# Altium PCB 191228 PCB.PcbDoc (part 3 of 3)
Units mm, origin at the board's own origin, x right, y up, seen from the top; angles counter-clockwise.
Board outline 140 x 119 mm, 6 copper layers (SIGNAL1, GND1, POWER, GND2, SIGNAL2, GND3), stack 1.551 mm thick; 287 components, 145 nets, 826 pads, 579 vias.
Unrouted connection lines stored in the file: 22.
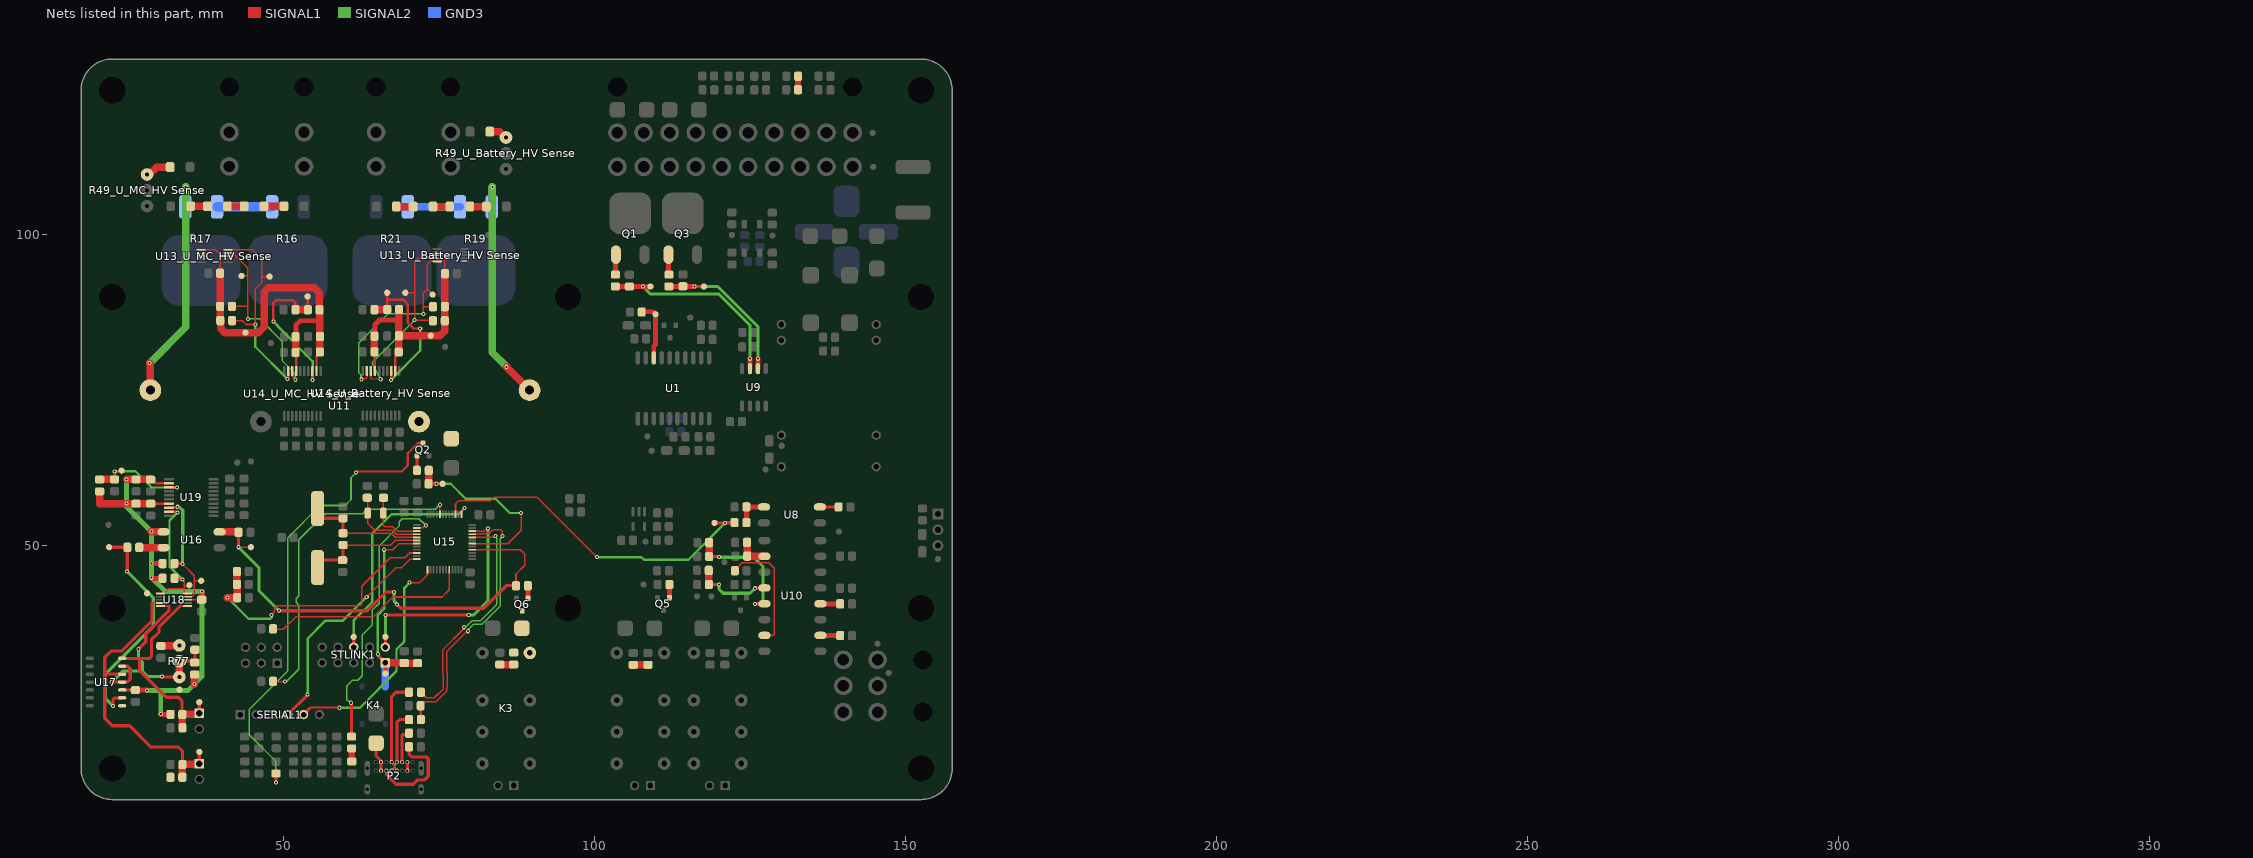
[diagram p5: the nets of this part, all layers, seen from the top]

## Via types
v1: diameter 0.66, hole 0.33, SIGNAL1 to GND3, 579 vias

## Nets (pads, with @x,y where several pads share a name; then routed paths per layer and width w, separated by ;. In a path a pad name is that pad's centre, name@x,y a point inside that pad or via, vN(x,y) a via of type N, cw(c..) or ccw(c..) an arc to the next point about the centre after c; other vN are vias at no path point) (continued)
NetD15_K: D15.K R37.1 | length 2.2
  SIGNAL1 w1: R37.1@132.726,123.334 132.738,123.346 132.738,125.488 D15.K@132.75,125.5
NetD17_K: D17.K R38.2 | length 2.4
  SIGNAL1 w1.2: D17.K@106.238,30.9 R38.2@108.6,30.9
NetD19_K: D19.K R41.2 | length 2.2
  SIGNAL1 w1.2: D19.K@84.801,30.942 84.805,30.946 87.021,30.946 R41.2@87.025,30.95
NetD20_K: D20.K R54.2 | length 2.1
  SIGNAL1 w1: R54.2@60.969,17.462 60.984,17.446 60.984,15.366 D20.K@61,15.35
NetD21_A: D21.A P2.A4 P2.A9 P2.B4 P2.B9 | length 6.1
  SIGNAL1 w0.5: D21.A@64.9,18.3 64.9,16.3 65.669,15.531 65.669,15.274 P2.A9@65.698,15.245 P2.B4@65.698,13.895 ; P2.B9@69.948,13.895 P2.A4@69.948,15.245 ; D21.A@65.699,18.285 D21.A@65.7,18.286
NetP2_A5: P2.A5 R70.1 | length 5.6
  SIGNAL1 w0.508: P2.A5@69.098,15.245 69.098,19.598 69.2,19.7 69.999,19.7 R70.1@70.204,19.905
NetP2_A6: P2.A6 P2.B6 R67.1 | length 10.2
  SIGNAL1 w0.508: P2.A6@68.248,15.245 68.248,21.648 68.689,22.089 70.193,22.089 R67.1@70.204,22.099
  GND3 w0.203: P2.B6@67.398,13.895 67.398,13.932 67.898,14.432 67.898,14.859 68.238,15.199 P2.A6@68.238,15.235
NetP2_A7: P2.A7 P2.B7 R68.1 | length 15.3
  SIGNAL1 w0.203: P2.A7@67.408,15.235 67.408,15.199 67.846,14.761 67.846,14.333 68.248,13.932 P2.B7@68.248,13.895
  SIGNAL1 w0.508: P2.A7@67.398,15.245 67.398,25.798 68.09,26.49 68.791,26.49 ; 68.792,26.489 R68.1@70.204,26.489
NetP2_B5: P2.B5 R71.1 | length 16
  SIGNAL1 w0.508: P2.B5@66.548,13.895 66.575,13.868 66.575,13.225 68.1,11.7 70.9,11.7 71.6,12.4 72.702,12.4 73.3,12.998 73.3,15.8 73,16.1 70.6,16.1 70.204,16.496 R71.1@70.204,17.71
NetQ1_G: Q1.G R13.2 | length 3.2
  SIGNAL1 w0.8: R13.2@103.376,93.613 103.413,93.65 103.413,96.788 Q1.G@103.45,96.825
NetQ2_G: Q2.G R20.2 | length 2.4
  SIGNAL1 w0.508: R20.2@71.474,62.152 71.487,62.165 71.487,64.487 Q2.G@71.5,64.5
NetQ3_G: Q3.G R27.2 | length 3.2
  SIGNAL1 w0.8: Q3.G@111.9,96.825 111.938,96.787 111.938,93.651 R27.2@111.976,93.613
NetQ5_G: Q5.G R39.2 | length 2.1
  SIGNAL1 w0.8: Q5.G@112.05,41.7 112.05,41.75 R39.2@112.05,43.8
NetQ6_G: Q6.G R42.2 | length 2
  SIGNAL1 w0.8: R42.2@89.3,43.6 89.35,43.55 Q6.G@89.35,41.6
NetR1_2: R1.2 TP4.1 U1.18 | length 8.9
  SIGNAL1 w0.762: 108.286,87.653 108.26,87.627 109.396,87.627 109.422,87.653 109.599,87.477 TP4.1@109.822,87.253 109.822,82.353 109.534,82.065 U1.18@109.534,80.229
NetR5_1: R5.1 TP12.1 U15.39 | length 55.3
  SIGNAL1 w0.254: U15.39@77.666,55.091 77.666,56.766 78.2,57.3 83.3,57.3 83.8,57.8 90.8,57.8 v1(100.4,48.2)
  SIGNAL1 w0.508: TP12.1@119.3,53.7 v1(121,53.7) 121.029,53.729 122.486,53.729 R5.1@122.522,53.766
  SIGNAL2 w0.381: v1(100.4,48.2) 107.571,48.2 107.971,47.8 115.1,47.8 v1(121,53.7)
NetR5_2: R5.2 R6.2 U8.3 | length 5.3
  SIGNAL1 w0.8: R5.2@124.422,53.766 124.427,53.77 124.427,56.275 R6.2@124.432,56.279 124.436,56.275 127.245,56.275 U8.3@127.25,56.27
NetR7_1: R7.1 U8.2 | length 3
  SIGNAL1 w0.508: U8.2@136.25,56.27 U8.2@136.25,56.27 139.236,56.272 R7.1@139.238,56.274
NetR9_1: R9.1 R12.2 U10.12 | length 12.6
  SIGNAL1 w0.508: R12.2@118.4,43.8 v1(120,43.8) ; v1(125.8,43.2) 125.827,43.227 127.303,43.227 U10.12@127.33,43.253
  SIGNAL1 w1.2: R9.1@118.376,46.08 118.388,46.067 118.388,43.812 R12.2@118.4,43.8
  SIGNAL2 w0.508: v1(120,43.8) 120.029,43.771 120.029,43.663 120.029,43.071 120.7,42.4 125,42.4 v1(125.8,43.2)
NetR13_1: R13.1 R15.2 TP14.1 U9.7 | length 32.4
  SIGNAL1 w0.8: R13.1@103.376,91.713 103.388,91.701 105.612,91.701 R15.2@105.624,91.689 105.635,91.7 v1(107.8,91.7) TP14.1@109,91.7 ; U9.7@125,78.5 v1(125,80.1)
  SIGNAL2 w0.508: v1(107.8,91.7) 109,90.5 119.994,90.5 125,85.494 v1(125,80.1)
NetR16_1: R16.1 R17.2 | length 8.9
  GND3 w1.5: R17.2@39.35,104.5 R16.1@48.2,104.5
NetR17_1: R17.1 U11.1 | length 38.3
  SIGNAL1 w1.2: v1(28.5,79.4) 28.62,79.28 U11.1@28.62,75.055
  SIGNAL2 w1.2: v1(28.5,79.4) 34.3,85.2 v1(34.3,107.7)
  GND3 w1: R17.1@34.25,104.5 R17.1@34.293,104.543
  GND3 w1.2: R17.1@34.293,104.543 34.3,104.55 v1(34.3,107.7)
NetR19_1: R19.1 R21.2 | length 8.4
  GND3 w1.2: R21.2@70,104.5 R19.1@78.4,104.5
NetR19_2: R19.2 U11.4 | length 38.4
  SIGNAL1 w1.2: v1(85.9,78.8) 85.9,78.735 U11.4@89.58,75.055
  SIGNAL2 w1.2: v1(83.6,107.7) 83.6,81.1 v1(85.9,78.8)
  GND3 w1.2: R19.2@83.5,104.5 83.6,104.6 v1(83.6,107.7)
NetR23_1: R23.1 R26.2 U10.10 | length 5
  SIGNAL1 w1.2: R23.1@124.526,50.576 124.538,50.564 124.538,48.387 R26.2@124.55,48.375 126.888,48.375 126.93,48.333 U10.10@127.33,48.333
NetR27_1: R27.1 R29.2 TP17.1 U9.6 | length 25.3
  SIGNAL1 w0.508: v1(116.1,91.7) TP17.1@117.6,91.7
  SIGNAL1 w0.8: R27.1@111.976,91.713 111.988,91.725 114.212,91.725 R29.2@114.224,91.737 116.063,91.737 v1(116.1,91.7) ; U9.6@126.27,78.5 126.3,78.53 v1(126.3,80.1)
  SIGNAL2 w0.508: v1(116.1,91.7) 119.8,91.7 126.3,85.2 v1(126.3,80.1)
NetR31_2: R31.2 U10.15 | length 19.6
  SIGNAL1 w0.254: R31.2@122.562,46.026 122.562,46.126 123.736,47.3 128,47.3 128.9,46.4 128.9,35.782 128.751,35.633 U10.15@127.33,35.633
  SIGNAL1 w0.508: R31.2@122.549,46.013 R31.2@122.562,46.026
NetR32_2: R32.2 U10.2 | length 3.2
  SIGNAL1 w0.8: U10.2@136.33,35.633 136.346,35.617 139.483,35.617 R32.2@139.5,35.6
NetR34_2: R34.2 R35.2 U10.13 | length 20.1
  SIGNAL1 w0.508: R34.2@118.425,48.296 119.862,48.296 119.959,48.2 v1(120,48.2) ; v1(125.8,40.7) 125.807,40.707 127.323,40.707 U10.13@127.33,40.713
  SIGNAL1 w1.2: R34.2@118.425,48.296 118.431,48.303 118.431,50.538 R35.2@118.438,50.545
  SIGNAL2 w0.508: v1(120,48.2) 125.6,48.2 127.1,46.7 127.1,41.304 126.525,40.729 125.829,40.729 v1(125.8,40.7)
NetR36_1: R36.1 U10.4 | length 3.2
  SIGNAL1 w0.8: U10.4@136.33,40.713 136.336,40.707 139.493,40.707 R36.1@139.5,40.7
"NetR43_U_Battery_HV Sense_1": "R43_U_Battery_HV Sense.1" "R44_U_Battery_HV Sense.2" | length 2.7
  SIGNAL1 w1.2: 68.153,104.55 70.853,104.55
"NetR43_U_MC_HV Sense_1": "R43_U_MC_HV Sense.1" "R44_U_MC_HV Sense.2" | length 3.2
  SIGNAL1 w1.2: 46.9,104.6 50.1,104.6
"NetR44_U_Battery_HV Sense_1": "R44_U_Battery_HV Sense.1" "R45_U_Battery_HV Sense.2" | length 2.7
  SIGNAL1 w1.2: 74.053,104.55 76.753,104.55
"NetR44_U_MC_HV Sense_1": "R44_U_MC_HV Sense.1" "R45_U_MC_HV Sense.2" | length 2.7
  SIGNAL1 w1.2: 41,104.6 43.7,104.6
"NetR45_U_Battery_HV Sense_1": "R45_U_Battery_HV Sense.1" "R46_U_Battery_HV Sense.2" | length 2.7
  SIGNAL1 w1.2: 79.953,104.55 82.653,104.55
"NetR45_U_MC_HV Sense_1": "R45_U_MC_HV Sense.1" "R46_U_MC_HV Sense.2" | length 2.7
  SIGNAL1 w1.2: 35.1,104.6 37.8,104.6
"NetR49_U_Battery_HV Sense_1": "R49_U_Battery_HV Sense.1" "R50_U_Battery_HV Sense.2" | length 3
  SIGNAL1 w1.2: 83.2,116.6 84.75,116.6 85.7,115.65 85.788,115.65
"NetR49_U_MC_HV Sense_1": "R49_U_MC_HV Sense.1" "R50_U_MC_HV Sense.2" | length 4.2
  SIGNAL1 w1.2: 28.1,109.7 28.433,109.7 29.633,110.9 31.8,110.9
NetR59_1: R59.1 U15.20 | length 34.2
  SIGNAL1 w0.254: R59.1@48.35,36.689 48.41,36.629 49.971,36.629 50,36.6 52,38.6 64.4,38.6 67.6,41.8 75.5,41.8 76.666,42.966 U15.20@76.666,46.191
NetR64_2: R64.2 U15.44 | length 52.7
  SIGNAL1 w0.203: R64.2@48.351,28.248 48.4,28.2 v1(50.3,28.2) ; U15.44@75.166,55.091 75.17,55.094 75.17,56.62 v1(75.173,56.623)
  SIGNAL2 w0.203: v1(50.3,28.2) 50.5,28.2 52.5,30.2 52.5,40.493 52.044,40.949 52.044,41.517 52.5,41.972 52.5,51 56.7,55.2 62.749,55.2 63.435,55.886 74.435,55.886 v1(75.173,56.623)
NetR75_2: R75.2 U16.2 | length 3.9
  SIGNAL1 w1.2: R75.2@26.838,49.774 26.882,49.73 U16.2@30.75,49.73
NetR77_3: R77.3 R78.2 | length 3
  SIGNAL1 w1.2: R78.2@30.326,33.938 30.366,33.978 33.241,33.978 R77.3@33.282,34.018
NRST: C58.2 K4.4 R65.1 STLINK1.1 TP33.1 U15.7 | length 35.5
  SIGNAL1 w0.254: v1(66.2,49.4) 67.6,49.4 68.591,50.391 U15.7@71.466,50.391
  SIGNAL1 w0.508: v1(65.2,32.6) 65.229,32.571 65.229,32.381 STLINK1.1@66.4,31.21 TP33.1@66.4,29.5
  SIGNAL1 w1.2: STLINK1.1@66.4,31.21 66.412,31.198 69.434,31.198 R65.1@69.446,31.186 69.458,31.174 71.562,31.174 C58.2@71.574,31.162
  SIGNAL2 w0.381: v1(65.2,32.6) 65.196,32.604 65.196,38.896 66.2,39.9 v1(66.2,49.4)
  GND3 w1.2: K4.4@66.4,27.4 STLINK1.1@66.4,31.21
PC13: R54.1 U15.2 | length 45.5
  SIGNAL1 w0.203: U15.2@71.466,52.891 72.411,52.891 72.82,53.3 v1(72.9,53.3)
  SIGNAL1 w0.508: v1(60.9,24.8) 60.9,24.759 60.984,24.674 60.984,19.378 R54.1@60.969,19.362
  SIGNAL2 w0.203: 68.6,53.9 69.105,54.405 69.802,54.405 69.806,54.4 71.8,54.4 v1(72.9,53.3)
  SIGNAL2 w0.254: v1(60.9,24.8) 60.79,24.8 60.484,25.106 60.38,25.106 60.2,25.285 60.2,27.506 61.116,28.422 61.973,28.422 62.7,29.149 62.7,35.7 64.3,37.3 64.3,39.7 65.4,40.8 65.4,50 68.6,53.2 68.6,53.9
"PCB TEMP": "PCB NTC1.2" C36.2 R53.1 U15.10 | length 44.3
  SIGNAL1 w0.254: v1(48.1,38.9) 48.1,38.976 48.525,39.401 48.525,39.921 49.004,40.4 62.3,40.4 62.625,40.725 62.625,43.525 67.2,48.1 69.5,48.1 70.089,48.689 70.095,48.689 70.274,48.868 71.443,48.868 U15.10@71.466,48.891
  SIGNAL1 w1.2: v1(41,41.7) R53.1@42.572,41.7 ; 42.55,45.9 C36.2@42.55,43.814 42.562,43.802 42.562,41.71 R53.1@42.572,41.7 ; R53.1@42.574,41.697 R53.1@42.572,41.7
  SIGNAL2 w0.381: v1(41,41.7) 44.4,38.3 47.938,38.3 48.161,38.523 48.161,38.839 v1(48.1,38.9)
PCH_OC: D9.A D10.K Q2.D U11.3 | length 76.3
  SIGNAL1 w0.381: v1(61.7,61.8) 61.875,61.975 69.025,61.975 70,62.95 70,64.9 71.6,66.5 Q2.D@72.45,66.5
  SIGNAL1 w0.508: v1(48.809,12) 48.816,12.007 48.816,13.418 D10.K@48.823,13.426
  SIGNAL2 w0.254: v1(48.809,12) 48.809,15.332 48.82,15.344 44.519,19.644 44.519,23.719 50.7,29.9 50.7,51.3 55.9,56.5 59.9,56.5 60.873,57.473 60.873,60.973 v1(61.7,61.8)
"PDOC OK": R75.1 TP35.1 U17.1 U17.2 | length 36.5
  SIGNAL1 w0.508: TP35.1@22,49.8 22.013,49.787 24.925,49.787 R75.1@24.938,49.774 24.919,49.755 24.919,45.919 v1(24.9,45.9) ; v1(22.6,24.3) 22.6,25.292 22.898,25.59 U17.2@24.1,25.59
  SIGNAL2 w0.508: v1(22.6,24.3) 21.4,25.5 21.4,29.4 29.1,37.1 29.1,41.7 v1(24.9,45.9)
"PDOC OK (ISO)": R42.1 R73.1 TP22.1 U15.28 U16.4 | length 77.6
  SIGNAL1 w0.254: v1(42.8,49.8) TP22.1@44.8,49.8 ; U15.28@80.366,49.391 86.909,49.391 86.919,49.4 88.1,49.4 88.8,48.7 88.8,46.9 87.4,45.5 R42.1@87.4,43.6
  SIGNAL1 w0.508: v1(42.8,49.8) R73.1@42.8,52.2 ; v1(49.3,39.6) 63.5,39.6 66.5,42.6 v1(67.8,42.6) ; v1(68.3,40.6) 68.9,40 82.2,40 85.9,43.7 85.929,43.671 R42.1@87.329,43.671
  SIGNAL1 w1.2: U16.4@39.75,52.27 42.75,52.27 42.8,52.22 R73.1@42.8,52.2
  SIGNAL2 w0.508: v1(42.8,49.8) 46.1,46.5 46.1,42.8 v1(49.3,39.6) ; v1(67.8,42.6) 67.8,41.141 68.3,40.641 v1(68.3,40.6)
"PDOC Temperature Amp Measure 1": "PDOC Sensor 1.2" C45.2 R74.1 TP34.1 U17.5 U18.4 | length 50.3
  SIGNAL1 w0.254: 28.9,40.8 28.95,40.85 U18.4@30.232,40.85
  SIGNAL1 w0.508: U17.5@24.1,29.4 21.3,29.4 ; 28.9,40.8 28.9,38 24,33.1 22.3,33.1 21.3,32.1 21.3,29.4 ; C45.2@33.786,14.874 33.786,14.887 33.786,17.014 33.1,17.7 28.7,17.7 25.3,21.1 22.5,21.1 21.3,22.3 21.3,29.4 ; 36.5,15 TP34.1@36.5,16.9
  SIGNAL1 w1.2: R74.1@33.762,12.826 33.774,12.838 33.774,14.862 C45.2@33.786,14.874 ; C45.2@33.786,14.887 33.836,14.937 36.437,14.937 36.5,15
"PDOC Temperature Amp Measure 2": "PDOC Sensor 2.2" C57.2 R81.1 TP41.1 U17.7 U18.6 | length 35.8
  SIGNAL1 w0.254: 33.435,40.35 U18.6@34.632,40.35
  SIGNAL1 w0.508: U17.7@24.1,31.94 26.86,31.94 ; 33.435,40.35 30,36.915 30,36.1 28.8,34.9 28.8,32.238 28.502,31.94 26.86,31.94 ; R81.1@33.762,22.926 33.7,22.988 33.7,25.1 33.1,25.7 31.2,25.7 26.86,30.04 26.86,31.94 ; 36.5,23.1 TP41.1@36.5,24.9
  SIGNAL1 w1.2: C57.2@33.786,20.774 33.774,20.786 33.774,22.914 R81.1@33.762,22.926 36.326,22.926 36.5,23.1
"PDOC Temperature Ref": C47.2 R76.1 R77.1 R77.2 TP36.1 U17.4 U17.6 U18.5 | length 39.3
  SIGNAL1 w0.254: U18.5@30.232,40.35 31.6,40.35
  SIGNAL1 w0.508: v1(22.4,28.1) 22.42,28.12 24.09,28.12 24.104,28.134 24.934,28.134 25.407,28.607 25.407,30.293 25.04,30.66 24.11,30.66 U17.6@24.1,30.67 ; v1(26.7,33.4) 27.9,34.6 27.9,35.9 31.6,39.6 31.6,40.35 ; v1(30.5,29) 30.562,28.938 R77.1@33.282,28.938 ; R77.2@33.282,31.478 R76.1@35.7,31.478 ; R76.1@35.782,31.518 C47.2@35.782,33.318
  SIGNAL1 w1.2: R77.1@33.282,28.938 R77.2@33.282,31.478
  SIGNAL2 w0.508: v1(22.4,28.1) 24.195,29.895 27.33,29.895 ; v1(26.7,33.4) 26.7,31.942 27.33,31.312 27.33,29.895 ; v1(30.5,29) 28.225,29 27.33,29.895
PDOC_OC: D18.A K3.1 Q6.D R41.1
"Precharge Relay (ISO)": R20.1 R22.2 TP15.1 U15.30 | length 31.4
  SIGNAL1 w0.203: U15.30@80.366,50.391 86.06,50.391 88.2,52.53 v1(88.2,55.3)
  SIGNAL1 w0.381: v1(74.6,60) TP15.1@75.6,60
  SIGNAL1 w0.508: R22.2@73.35,60 v1(74.6,60)
  SIGNAL1 w1.2: R22.2@73.35,60 73.362,60.012 73.362,62.14 R20.1@73.374,62.152
  SIGNAL2 w0.381: v1(74.6,60) 76.9,60 79.3,57.6 84.095,57.6 86.395,55.3 v1(88.2,55.3)
SCL: "U14_U_Battery_HV Sense.2" "U14_U_MC_HV Sense.2" R60.1 TP29.1 U15.42 U19.2 | length 71.4
  SIGNAL1 w0.254: U15.42@76.166,55.091 76.166,55.966 v1(76.9,56.7)
  SIGNAL1 w0.381: v1(37.3,55.4) 37.376,55.4 37.491,55.515 38.79,55.515 U19.2@38.8,55.525 ; v1(41.9,64.1) TP29.1@42.6,63.4 ; 50.782,70.9 50.791,70.909 50.791,72.191 v1(50.8,72.2) ; R60.1@58.538,68.3 58.569,68.331 58.569,69.769 v1(58.6,69.8) 58.676,69.8 58.891,69.585 v1(63.433,69.585) 63.433,70.956
  SIGNAL2 w0.381: v1(37.3,55.4) 39,57.1 39,62 41.6,64.6 ; v1(41.9,64.1) 41.9,64.176 41.6,64.476 41.6,64.6 ; v1(58.6,69.8) 54,69.8 52.8,71 52,71 v1(50.8,72.2) 50.8,71.3 50,70.5 50,68.75 46.65,65.4 42.4,65.4 41.6,64.6 ; v1(63.433,69.585) 63.433,63.667 64.6,62.5 66.785,62.5 68.447,60.838 71.334,60.838 73.01,59.162 76.538,59.162 76.9,58.8 v1(76.9,56.7)
SCL: R79.1 TP37.1 TP38.1 U18.1 U18.10 U19.19 | length 23
  SIGNAL1 w0.254: U18.1@30.232,42.35 30.807,42.35 31.558,43.1 34.009,43.1 34.109,43 ; v1(33.8,44.6) 33.8,44.49 34.109,44.181 34.109,43.59 ; U18.10@34.632,42.35 34.132,42.35 34.109,42.373 34.109,43 ; TP38.1@34.9,43.7 34.79,43.59 34.109,43.59 ; 34.109,43 34.109,43.59
  SIGNAL1 w0.381: U19.19@31.6,55.525 31.609,55.515 32.794,55.515 32.924,55.386 v1(33,55.386) ; R79.1@32.5,44.805 32.652,44.653 33.747,44.653 v1(33.8,44.6)
  SIGNAL2 w0.381: v1(33,55.386) 31.7,54.086 31.7,46.7 v1(33.8,44.6)
"SCL_U_Battery_HV Sense": "R47_U_Battery_HV Sense.1" "TP25_U_Battery_HV Sense.1" "U13_U_Battery_HV Sense.10" "U14_U_Battery_HV Sense.19" | length 33.3
  SIGNAL1 w0.254: v1(62.533,76.789) 62.611,76.866 63.284,76.866 63.433,77.015 63.433,78.156 ; v1(72.5,87.3) 72.5,88.5 ; 74,90.4 73.15,91.25 ; 74.062,88.471 72.529,88.471 72.5,88.5 ; 74.738,95.75 73.65,95.75 73.15,95.25 73.15,91.25 ; 72.5,88.5 72.5,90.6 73.15,91.25
  SIGNAL2 w0.254: v1(62.533,76.789) 62.486,76.836 62.486,77.5 62.1,77.886 62.1,82.6 66.8,87.3 v1(72.5,87.3)
"SCL_U_MC_HV Sense": "R47_U_MC_HV Sense.1" "TP25_U_MC_HV Sense.1" "U13_U_MC_HV Sense.10" "U14_U_MC_HV Sense.19" | length 34.4
  SIGNAL1 w0.254: 41.138,97.6 41.161,97.577 45.123,97.577 46.5,96.2 46.5,93.3 ; 41.762,86.218 41.78,86.2 43.4,86.2 44,85.6 v1(45.5,85.6) 45.5,91.3 46.5,92.3 46.5,93.3 ; 47.8,93.3 46.5,93.3
  SIGNAL1 w0.381: v1(50.649,76.858) 50.702,76.911 50.702,77.102 50.773,77.173 50.773,78.09 50.782,78.1
  SIGNAL2 w0.381: v1(45.5,85.6) 45.5,82.007 v1(50.649,76.858)
SDA: "U14_U_Battery_HV Sense.3" "U14_U_MC_HV Sense.3" R61.1 TP30.1 U15.43 U19.3 | length 68.8
  SIGNAL1 w0.254: U15.43@75.666,55.091 75.689,55.114 75.689,55.64 75.709,55.66 75.709,56.155 76,56.447 76,56.782 75.978,56.804 75.978,57.422 v1(75.9,57.5)
  SIGNAL1 w0.381: U19.3@38.8,56.175 38.809,56.165 39.847,56.165 39.952,56.061 v1(40.027,56.061) ; TP30.1@44.8,63.6 v1(45.7,62.7) ; v1(51.298,69.657) 51.298,69.732 51.423,69.857 51.423,70.89 51.432,70.9 ; v1(58.5,64.6) 58.519,64.619 58.519,66.056 R61.1@58.538,66.075 ; 64.092,71.502 v1@64.092,72.392
  SIGNAL1 w0.508: v1@64.092,72.392 v1(64.1,72.4)
  SIGNAL2 w0.381: v1(40.027,56.061) 46.233,62.267 ; v1(45.7,62.7) 45.776,62.7 46.209,62.267 46.233,62.267 ; v1(64.1,72.4) 58.5,66.8 v1(58.5,64.6) ; v1(75.9,57.5) 75.875,57.525 65.475,57.525 63.4,59.6 63.438,59.638 63.438,61.547 61.926,63.059 60.041,63.059 v1(58.5,64.6) ; 46.233,62.267 51.298,67.332 v1(51.298,69.657) 56.355,64.6 v1(58.5,64.6)
SDA: R80.1 TP39.1 U18.9 U19.18 | length 20.5
  SIGNAL1 w0.254: v1(33.8,47.1) 35.7,45.2 35.7,44.4 ; U18.9@34.632,41.85 34.655,41.873 35.382,41.873 35.7,42.191 35.7,44.4 ; TP39.1@36.8,44.4 35.7,44.4
  SIGNAL1 w0.381: U19.18@31.6,56.175 31.609,56.184 32.809,56.184 32.924,56.3 v1(33,56.3)
  SIGNAL1 w0.508: R80.1@32.5,47.17 33.689,47.17 33.759,47.1 v1(33.8,47.1)
  SIGNAL2 w0.508: v1(33,56.3) 33.029,56.271 33.3,56.271 33.838,55.733 33.838,51.456 33.8,51.418 v1(33.8,47.1)
"SDA_U_Battery_HV Sense": "R48_U_Battery_HV Sense.1" "TP26_U_Battery_HV Sense.1" "U13_U_Battery_HV Sense.9" "U14_U_Battery_HV Sense.18" | length 33.2
  SIGNAL1 w0.254: 64.083,78.156 64.083,77.105 64.083,77.005 64.153,76.857 cw(c64.1,72.4) 64.294,76.853 v1(65.653,76.794) ; 69.6,90.7 71.1,90.7 ; 74.051,86.187 73.938,86.3 v1(71.1,86.3) 71.1,90.7 ; 74.738,96.25 71.65,96.25 71.1,95.7 71.1,90.7
  SIGNAL2 w0.254: v1(65.653,76.794) 64.3,79.29 64.3,79.5 64.374,79.574 v1(71.1,86.3)
"SDA_U_MC_HV Sense": "R48_U_MC_HV Sense.1" "TP26_U_MC_HV Sense.1" "U13_U_MC_HV Sense.9" "U14_U_MC_HV Sense.18" | length 31.6
  SIGNAL1 w0.254: 41.138,97.1 41.161,97.077 41.887,97.077 44.3,94.664 44.3,93.4 44.3,93.3 ; 41.75,88.503 44.3,88.503 ; 43.3,93.4 44.2,93.4 44.3,93.3 ; v1(44.3,86.5) 44.3,88.503 ; 44.3,88.503 44.3,93.3
  SIGNAL1 w0.381: 51.432,78.1 51.442,78.09 51.442,77.314 51.892,76.864 51.892,76.77 v1(51.946,76.717)
  SIGNAL2 w0.254: v1(44.3,86.5) 46.206,86.5 49.8,82.906 49.8,79.8 51.946,77.654 v1(51.946,76.717)
SWCLK: STLINK1.6 TP44.1 U15.37 | length 38.9
  SIGNAL1 w0.254: U15.37@78.666,55.091 78.666,55.541 79.022,55.897 79.022,56.022 v1(79.1,56.1)
  SIGNAL1 w0.508: TP44.1@61.3,35.4 TP44.1@61.31,35.39 61.31,33.76 STLINK1.6@61.32,33.75
  SIGNAL2 w0.381: STLINK1.6@61.32,33.75 61.3,33.77 61.3,38 64.3,41 64.3,52.002 67.398,55.1 78.141,55.1 79.1,56.059 v1(79.1,56.1)
SWDIO: STLINK1.2 TP43.1 U15.34 | length 38.6
  SIGNAL1 w0.254: U15.34@80.366,52.391 82.381,52.391 82.79,52.8 v1(82.9,52.8)
  SIGNAL1 w0.508: TP43.1@66.4,35.4 STLINK1.2@66.4,33.75 STLINK1.2@66.45,33.8 ; v1(66.4,38.9) v1(79.8,38.9)
  SIGNAL2 w0.508: STLINK1.2@66.4,33.75 v1(66.4,38.9) ; v1(79.8,38.9) 80.6,38.9 81.048,39.348 82.9,41.2 v1(82.9,52.8)
UARTRX: SERIAL1.5 U15.13 | length 37.2
  SIGNAL1 w0.254: v1(70.3,44.1) 71.9,44.1 73.166,45.366 U15.13@73.166,46.191
  SIGNAL1 w0.381: 54.18,23.82 54.401,24.041 58.959,24.041 v1(59,24)
  SIGNAL1 w0.508: SERIAL1.5@53.26,22.9 54.18,23.82
  SIGNAL2 w0.381: v1(59,24) 62.3,24 68.2,29.9 68.2,33.4 69.465,34.665 69.465,43.265 v1(70.3,44.1)
UARTTX: SERIAL1.4 U15.12 | length 36.4
  SIGNAL1 w0.254: v1(63.4,41.8) 68.1,46.5 69,46.5 70.391,47.891 U15.12@71.466,47.891
  SIGNAL1 w0.508: SERIAL1.4@50.72,22.9 50.72,22.91 53.9,26.09 v1(53.9,26.1)
  SIGNAL2 w0.381: v1(53.9,26.1) 53.9,35.1 56.8,38 59.592,38 63.392,41.8 v1(63.4,41.8)
USB_N: R68.2 U15.32 | length 37.6
  SIGNAL1 w0.254: R68.2@72.103,26.489 72.992,25.6 74.265,25.6 75.735,27.07 75.735,29.361 75.654,29.442 75.654,33.35 78.903,36.599 78.903,36.686 79.053,36.837 v1(79.053,36.947) ; U15.32@80.366,51.391 83.804,51.391 83.99,51.577 v1(84.1,51.577)
  SIGNAL2 w0.254: v1(79.053,36.947) 79.131,37.024 79.367,37.024 80.324,37.981 81.681,37.981 84.3,40.6 84.3,51.267 84.1,51.467 v1(84.1,51.577)
USB_P: R66.1 R67.2 U15.33 | length 43
  SIGNAL1 w0.254: R66.1@72.079,24.325 72.719,24.965 74.528,24.965 76.289,26.726 76.289,27.361 76.37,27.442 76.37,29.624 76.289,29.705 76.289,33.087 79.352,36.15 79.44,36.15 79.59,36.3 v1(79.7,36.3) ; U15.33@80.366,51.891 81.347,51.891 81.39,51.934 82.57,51.934 82.725,52.089 83.195,52.089 83.706,52.6 85,52.6 85.2,52.4 v1(85.2,51.6)
  SIGNAL1 w0.381: R66.1@72.079,24.325 72.091,24.313 72.091,22.112 R67.2@72.103,22.099
  SIGNAL2 w0.254: v1(79.7,36.3) 79.778,36.378 79.778,36.614 80.564,37.4 81.922,37.4 84.881,40.359 84.881,51.171 85.2,51.49 v1(85.2,51.6)
VDDISO: C46.2 C48.1 C49.2 C50.2 C51.2 C52.1 R74.2 R76.2 R79.2 R80.2 R81.2 R82.2 U16.1 U17.3 U18.8 U19.12 U19.17 | length 90.3
  SIGNAL1 w0.254: U18.8@34.632,41.35 34.639,41.356 36.868,41.356 C48.1@36.874,41.362
  SIGNAL1 w0.381: C52.1@28.669,60.676 28.841,60.676 29.442,60.075 U19.12@31.6,60.075 ; C50.2@28.7,56.8 28.716,56.815 31.59,56.815 U19.17@31.6,56.825
  SIGNAL1 w0.508: U17.3@24.1,26.86 24.11,26.85 26.214,26.85 C46.2@26.226,26.838
  SIGNAL1 w0.8: C46.2@26.226,26.838 28.062,26.838 v1(28.1,26.8) ; v1(28.8,44.9) 28.895,44.805 R79.2@30.6,44.805 ; v1(28.8,47.2) 28.83,47.17 R80.2@30.6,47.17 ; v1(30.3,23) 30.374,22.926 R81.2@31.862,22.926 ; C48.1@36.874,41.362 36.9,41.388 v1(36.9,42.7)
  SIGNAL1 w1.2: R82.2@20.474,58.776 20.489,58.76 20.489,56.816 20.505,56.8 v1(24.8,56.8) C49.2@26.335,56.8 C50.2@28.7,56.8 ; v1(24.8,60.7) C51.2@26.335,60.7 26.347,60.688 28.656,60.688 C52.1@28.669,60.676 ; v1(28.8,52.3) 28.83,52.27 U16.1@30.75,52.27 ; v1(35.7,27.8) 35.7,29.309 35.75,29.359 R76.2@35.763,29.359 R76.2@35.813,29.309
  SIGNAL2 w0.8: v1(24.8,60.7) v1(24.8,56.8) 24.8,56.3 v1(28.8,52.3) v1(28.8,47.2) v1(28.8,44.9) 31,42.7 v1(36.9,42.7) 36.9,29 v1(35.7,27.8) 34.7,26.8 30.3,26.8 ; v1(28.1,26.8) 30.3,26.8 ; v1(30.3,23) 30.3,26.8
"VDDISO_U_Battery_HV Sense": "C27_U_Battery_HV Sense.1" "C28_U_Battery_HV Sense.2" "C29_U_Battery_HV Sense.2" "C30_U_Battery_HV Sense.2" "C31_U_Battery_HV Sense.1" "R47_U_Battery_HV Sense.2" "R48_U_Battery_HV Sense.2" "R51_U_Battery_HV Sense.2" "TP23_U_Battery_HV Sense.1" "U13_U_Battery_HV Sense.8" "U14_U_Battery_HV Sense.12" "U14_U_Battery_HV Sense.17" | length 42.3
  SIGNAL1 w0.254: 74.738,96.75 74.74,96.748 75.652,96.748 75.978,96.422 75.978,93.774
  SIGNAL1 w0.381: 64.651,81.192 64.724,81.119 64.724,78.166 64.733,78.156 ; 67.983,78.156 67.983,80.43 68.551,80.998 68.551,81.171
  SIGNAL1 w0.8: 64.701,83.768 64.701,85.601 65.398,86.298 68.587,86.298
  SIGNAL1 w1.2: 64.651,81.192 64.651,83.718 64.701,83.768 ; 68.551,81.171 68.563,81.183 68.563,83.758 68.575,83.77 ; 68.587,87.587 68.587,86 68.587,83.783 68.575,83.77 ; 68.587,87.987 68.6,88 ; 75.978,93.774 75.961,93.758 75.961,88.471 75.945,88.455 75.951,88.449 75.951,86.187 75.957,86.181 75.907,86.131 75.907,84.523 75.154,83.77 73.7,83.77 68.575,83.77
"VDDISO_U_MC_HV Sense": "C27_U_MC_HV Sense.1" "C28_U_MC_HV Sense.2" "C29_U_MC_HV Sense.2" "C30_U_MC_HV Sense.2" "C31_U_MC_HV Sense.1" "R47_U_MC_HV Sense.2" "R48_U_MC_HV Sense.2" "R51_U_MC_HV Sense.2" "TP23_U_MC_HV Sense.1" "U13_U_MC_HV Sense.1" "U13_U_MC_HV Sense.8" "U14_U_MC_HV Sense.12" "U14_U_MC_HV Sense.17" | length 63.8
  SIGNAL1 w0.254: 36.738,97.6 39.1,97.6 40.1,96.6 ; 39.853,93.826 39.853,96.353 40.1,96.6 ; 41.138,96.6 40.1,96.6
  SIGNAL1 w0.381: 51.98,81.101 52.073,81.008 52.073,78.109 52.082,78.1 ; 55.332,78.1 55.332,80.471 55.874,81.013 55.874,81.186
  SIGNAL1 w0.8: 52.03,83.677 52.03,85.53 52.7,86.2 55.862,86.2
  SIGNAL1 w1.2: 39.853,93.826 39.852,93.825 39.852,88.504 39.85,88.503 39.856,88.497 39.856,86.224 39.862,86.218 39.912,86.168 39.912,85.003 40.615,84.3 43.9,84.3 46,84.3 46.9,85.2 46.9,90.797 47.603,91.5 55,91.5 55.8,90.7 55.8,87.974 55.8,87.137 55.862,87.075 55.862,86.2 55.862,83.667 55.874,83.655 55.874,81.186 ; 51.98,81.101 51.98,83.627 52.03,83.677
VSEL: R82.1 R83.2 TP42.1 U19.13 | length 17.2
  SIGNAL1 w0.381: R83.2@22.858,60.688 R83.2@22.87,60.7 22.885,60.715 22.885,61.985 v1(22.9,62) 22.95,62.05 23.95,62.05 TP42.1@24,62.1 ; U19.13@31.6,59.425 31.609,59.415 32.884,59.415 v1(32.9,59.4)
  SIGNAL1 w1.2: R82.1@20.474,60.676 20.486,60.688 R83.2@22.858,60.688
  SIGNAL2 w0.381: v1(22.9,62) 26.25,62 28.85,59.4 v1(32.9,59.4)
"VSEL_U_Battery_HV Sense": "R51_U_Battery_HV Sense.1" "R52_U_Battery_HV Sense.2" "TP28_U_Battery_HV Sense.1" "U14_U_Battery_HV Sense.13" | length 25.5
  SIGNAL1 w0.381: 65.6,88 65.613,87.987 65.669,87.987 ; 66.687,87.987 66.7,88 66.7,89.7 ; 66.7,90.7 66.7,89.7 ; v1(67.3,76.7) 67.324,76.724 67.324,78.147 67.333,78.156 ; v1(72,84.954) 70.946,84.954 70,85.9 70,88.9 69.3,89.6 66.8,89.6 66.7,89.7
  SIGNAL1 w1.2: 64.638,87.974 64.651,87.987 65.613,87.987 ; 65.669,87.987 66.687,87.987
  SIGNAL2 w0.381: v1(67.3,76.7) 72,81.4 v1(72,84.954)
"VSEL_U_MC_HV Sense": "R51_U_MC_HV Sense.1" "R52_U_MC_HV Sense.2" "TP28_U_MC_HV Sense.1" "U14_U_MC_HV Sense.13" | length 25.6
  SIGNAL1 w0.381: v1(48.4,86.1) 48.4,89.1 48.8,89.5 51.6,89.5 51.8,89.3 51.938,89.162 51.938,87.974 ; 53.9,90.1 53.919,90.081 53.919,87.993 53.938,87.974 ; 54.682,78.1 54.682,76.718 v1(54.7,76.7)
  SIGNAL1 w1.2: 51.938,87.974 53.938,87.974
  SIGNAL2 w0.381: v1(48.4,86.1) 49.122,85.378 49.122,85.278 54.7,79.7 v1(54.7,76.7)
XTALA: C41.2 R69.2 U15.5 X1.2 | length 19.8
  SIGNAL1 w0.254: R69.2@59.6,52.05 67.35,52.05 68.009,51.391 U15.5@71.466,51.391
  SIGNAL1 w0.508: X1.2@55.505,56.033 55.505,55.22 56.28,54.445 C41.2@59.579,54.445 59.589,54.434 59.589,52.061 R69.2@59.6,52.05
XTALB: C42.2 R69.1 U15.6 X1.1 | length 19.4
  SIGNAL1 w0.254: R69.1@59.6,50.15 67.25,50.15 67.991,50.891 U15.6@71.466,50.891
  SIGNAL1 w0.508: X1.1@55.505,46.533 55.505,46.945 56.28,47.721 C42.2@59.531,47.721 59.566,47.755 59.566,50.116 R69.1@59.6,50.15
XTALC: C43.2 U15.3 X2.2 | length 10.2
  SIGNAL1 w0.254: C43.2@66.092,57.75 66.069,57.726 X2.2@66.069,55.288 66.069,53.331 66.3,53.1 67.6,53.1 68.309,52.391 U15.3@71.466,52.391
XTALD: C44.2 U15.4 X2.1 | length 12.8
  SIGNAL1 w0.254: C44.2@63.492,57.75 63.569,57.673 X2.1@63.569,55.288 63.569,53.631 64.693,52.507 67.539,52.507 68.156,51.891 U15.4@71.466,51.891
pads on no net: "HV BATTERY+1." "HV BATTERY-1." "HV MC+1." "HV MC-1." "PRIMARY INTERFACE1." "U13_U_Battery_HV Sense.2" "U13_U_Battery_HV Sense.5" "U13_U_Battery_HV Sense.6" "U13_U_Battery_HV Sense.7" "U13_U_MC_HV Sense.2" "U13_U_MC_HV Sense.5" "U13_U_MC_HV Sense.6" "U13_U_MC_HV Sense.7" "U14_U_Battery_HV Sense.6" "U14_U_Battery_HV Sense.15" "U14_U_MC_HV Sense.6" "U14_U_MC_HV Sense.15" C16.0 K1.4 K1.6 K1.8 K1.11 K2.4 K2.6 K2.8 K2.11 K3.4 K3.6 K3.8 K3.11 K4.1 K4.3 P1. P2.A8 P2.B8 P2.P2 P2.P3 P2.P4 R16. R17. R19. R21. SERIAL1.2 SERIAL1.6 STLINK1.5 U1.2 U1.14 U6.9 U6.11 U15.11 U15.14 U15.15 U15.27 U15.40 U15.41 U17.8 U17.9 U17.10 U17.11 U17.13 U17.14 U18.2 U18.7 U19.6 U19.15
copper on no net: | length 0.1
  SIGNAL1 w0.254: 122.667,20.727 122.725,20.67
  other v1: 25.752,23.614 26.652,23.614 27.6,24.4 27.6,25.3 106,68.5 107.5,68.5 106,70

## Polygon pours and split planes (outlines as drawn)
CANS on SIGNAL1 "CANS_L01_P079" (solid, pour order 79): 104,89.5 121,89.5 121,78.5 104,78.5
CANS on SIGNAL1 "CANS_L01_P099" (solid, pour order 99): 111.505,89.505 112.4,90.4 119.8,90.4 120.6,91.2 120.6,105.2 121.2,105.8 124.1,105.8 127.1,108.8 136.5,108.8 136.5,107.3 135.2,106 130.7,106 130.1,105.4 130.1,93.2 129,92.1 126.8,92.1 121,86.3 111.457,86.378
GNDISO on SIGNAL1 "GNDISO_L01_P094" (solid, pour order 94): 17.5,63 34.1,63 34.1,46.7 38.3,46.7 38.3,9.2 17.5,9.2
"3.3V (ISO)" on SIGNAL1 "3.3V_(ISO)_L01_P108" (solid, remove dead copper, pour order 108): 107.3,54.1 110.9,54.1 110.9,49.9 107.3,49.9
"0V (Crystal 16MHZ)" on SIGNAL1 "0V_(CRYSTAL_16MHZ)_L01_P072" (solid, pour order 72): 61.13,60.633 61.13,42.133 50.63,42.133 50.63,60.633
"12V/24V (Filtered)" on SIGNAL1 "Top Layer-12V/24V 2" (solid, pour order 54): 128.8,87.8 137.4,87.8 137.4,80.3 128.8,80.3
"3.3V (ISO)" on SIGNAL1 "3.3V_(ISO)_L01_P093" (solid, pour order 93): 68.5,56.2 73.4,56.2 73.4,53.1 68.5,53.1
"5V (ISO)" on SIGNAL1 "5V_(ISO)_L01_P091" (solid, pour order 91): 107.415,32.1 107.415,39 102.915,39 102.915,32.1
"5V (ISO)" on SIGNAL1 "5V_(ISO)_L01_P092" (solid, pour order 92): 85.822,32.1 85.822,39 81.322,39 81.322,32.1
"5V (ISO)" on SIGNAL1 "5V_(ISO)_L01_P090" (solid, pour order 90): 119.8,32.1 119.8,39 115.3,39 115.3,32.1
"5V (ISO)" on SIGNAL1 "5V_(ISO)_L01_P089" (solid, pour order 89): 126.7,65.2 130.9,65.2 130.9,61.8 126.7,61.8
PDOC_OC on SIGNAL1 "PDOC_OC_L01_P087" (solid, pour order 87): 86.022,40.6 90.322,40.6 90.322,32.116 90.338,32.1 86.022,32.1
AMS_OC on SIGNAL1 "AMS_OC_L01_P086" (solid, pour order 86): 107.615,40.6 111.915,40.6 111.915,32.116 111.931,32.1 107.615,32.1
IMD_OC on SIGNAL1 "IMD_OC_L01_P085" (solid, pour order 85): 120,40.6 124.3,40.6 124.3,32.116 124.316,32.1 120,32.1
"0V (ISO)" on SIGNAL1 "0V_(ISO)_L01_P084" (solid, pour order 84): 72.4,65.2 75.2,65.2 75.2,63.1 72.4,63.1
0V on SIGNAL1 "Top Layer-GLV- 4" (solid, pour order 56): 138,87.8 146.8,87.8 146.8,80.3 138,80.3
GLV- on SIGNAL1 "GLV-_L01_P083" (solid, pour order 83): 113,93.1 113,98.6 118,98.6 118,93.1
GLV- on SIGNAL1 "GLV-_L01_P082" (solid, pour order 82): 104.5,93 104.5,98.5 109.5,98.5 109.5,93
PCH_OC on SIGNAL1 "PCH_OC_L01_P081" (solid, pour order 81): 70.6,72 75.5,72 79,68.5 79,65.5 70.6,65.5
GLV- on SIGNAL1 "GLV-_L01_P080" (solid, pour order 80): 139,91.5 139,96.5 148,96.5 148,91.5
"0V (ISO)" on GND1 "0V_(ISO)_L02_P105" (solid, remove dead copper, pour order 105): 36,64 44,72 75.5,72 84.5,63 94.5,63 101.5,70 101.5,74.5 131,74.5 131,29 78,29 78,9 40,9 40,48.5 36,48.5
GLV- on GND1 "GLV-_L02_P106" (solid, remove dead copper, pour order 106): 100,128.5 100,94 101.5,92.5 101.5,76.5 133,76.5 133,27 80,27 80,9 157.5,9 157.5,127.5 158,128
0V on GND1 "0V_L02_P104" (solid, pour order 104): 135.5,21 149,21 149,34 146,37 146,45 149.5,48.5 156.2,48.5 156.2,57 149.5,57 147,59.5 147,88 125.5,88 124.5,87 124.5,79 135,79 135.5,78.5
CANS on GND1 "Int1 (GND)-CANS" (solid, remove dead copper, pour order 103): 111.5,86.3 121,86.3 126.8,92.1 129,92.1 130.1,93.2 130.1,105.4 130.9,106.2 134.5,106.2 135.6,107.3 135.6,109.4 134.8,109.4 134.3,108.8 127.1,108.8 124.1,105.8 121.2,105.8 120.6,105.2 120.6,91.2 119.8,90.4 112.4,90.4 111.5,89.5
CANS on GND1 "CANS_L02_P078" (solid, pour order 78): 104,89.5 104,78.5 121,78.5 121,89.5
"0V (Crystal 16MHZ)" on GND1 "0V_(CRYSTAL_16MHZ)_L02_P073" (solid, pour order 73): 60.2,60.65 60.2,42.15 50.7,42.15 50.7,60.65
GNDISO on GND1 "GNDISO_L02_P095" (solid, pour order 95): 17.5,63.1 34.1,63.1 34.1,46.8 38.3,46.8 38.3,9.3 17.5,9.3
"HV MC-" on GND1 "HV_MC-_L02_P071" (solid, pour order 71): 57.1,87 57.1,78 46.1,78 46.1,83 50.1,87
"HV Battery-" on GND1 "HV_BATTERY-_L02_P070" (solid, pour order 70): 61,87 61,78 72,78 72,83 68,87
"0V (ISO)" on GND3 "0V_(ISO)_L06_P101" (solid, remove dead copper, pour order 101): 101.6,74.5 131,74.5 131,29 78,29 78,9.2 40,9.2 40,48.5 36,48.5 36,63.8 44.1,71.9 75.4,71.9 84.4,62.9 94.5,62.9 101.6,70
GLV- on GND3 "GLV-_L06_P100" (solid, remove dead copper, pour order 100): 100,128.3 100,94 101.515,92.485 101.515,76.465 132.965,76.465 133,76.5 133,27 80,27 80,9.2 157.5,9.2 157.5,128.3
GNDISO on GND3 "GNDISO_L06_P097" (solid, pour order 97): 17.5,63 34.1,63 34.1,46.7 38.3,46.7 38.3,9.2 17.5,9.2
"5V (ISO)" on SIGNAL2 "5V_(ISO)_L05_P109" (solid, remove dead copper, pour order 109): 80,36 127,36 127,30 80,30
GNDISO on SIGNAL2 "GNDISO_L05_P096" (solid, pour order 96): 17.5,63 34.1,63 34.1,46.7 38.3,46.7 38.3,9.2 17.5,9.2

## Keep-outs
Keep-Out Layer:
  circle w0.254: c22.5,123.25 r4.8
  circle w0.254: c95.75,90 r5
  circle w0.254: c95.75,40 r5
  circle w0.254: c22.5,40 r5
  circle w0.254: c22.5,90 r5
  circle w0.254: c152.5,123.25 r5
  circle w0.254: c152.5,90 r5
  circle w0.254: c152.5,40 r5
  circle w0.254: c152.5,14.25 r5
  circle w0.254: c22.5,14.25 r5
  lines w0.254: 17.5,14.25 ccw(c22.5,14.25) 22.5,9.25 152.5,9.25 ccw(c152.5,14.25) 157.5,14.25 157.5,123.25 ccw(c152.5,123.25) 152.5,128.25 22.5,128.25 ccw(c22.5,123.25) 17.5,123.25 17.5,14.25

## Other copper
SIGNAL1:
  region net 12V/24V: 133.9,101.3 136.2,101.3 136.2,92.1 133.9,92.1
  pour cut-out: 123.5,102.6 127.2,102.6 127.2,96.3 123.5,96.3
  pour cut-out: 147.783,109.891 147.91,110.018 154.47,110.018 154.47,104.215 154.51,104.175 147.69,104.175
GND3:
  pour cut-out: 44.567,30.453 45.134,29.886 45.224,29.886 45.224,29.246 45.252,29.217 44.609,28.574 43.982,28.574 43.322,29.234 43.322,29.793 43.297,29.818 43.957,30.479
  pour cut-out: 47.107,30.453 47.674,29.886 47.764,29.886 47.764,29.246 47.792,29.217 47.149,28.574 46.522,28.574 45.862,29.234 45.862,29.793 45.837,29.818 46.497,30.479

## Silkscreen, mask and mechanical layers (free items; w line width, h text height)
Top Overlay:
  drawing of 69 lines, arcs and shapes, not listed
  text "29/10/21 - P.M.C" at 93.807,118.631 h1.02 r90
  text "Precharge Controller R4" at 92.818,115.706 h1.02 r90
  text "Formula SAE" at 91.929,114.532 h1.78 r90
  text "FB+" at 258.6,109.475 h0.8
  text "Team Swinburne" at 90.532,103.356 h3.05 r90
  text "HIGH VOLTAGE" at 245.246,98.251 h0.97
  text "HIGH VOLTAGE" at 255.546,96.451 h0.97
  text "M4" at 18.525,81.7 h0.8
  text "PDOC" at 84.2,30.5 h0.8
  text "AMS" at 106.175,30.475 h0.8
  text "IMD" at 118.35,30.475 h0.8
Bottom Overlay:
  circle w0.254: c95.75,90 r5
  circle w0.254: c152.5,14.25 r5
  circle w0.254: c22.5,14.25 r5
  circle w0.254: c152.5,40 r5
  circle w0.254: c22.5,40 r5
  circle w0.254: c152.5,123.25 r5
  circle w0.254: c95.75,40 r5
  circle w0.254: c152.5,90 r5
  circle w0.254: c22.5,123.25 r5
  circle w0.254: c22.5,90 r4.505
  circle w0.254: c22.5,90 r5
  region: 27.115,100 27.598,101.69 27.085,101.488 27.388,102.551 27.616,102.551 27.217,102.949 26.819,102.551 27.001,102.551 26.5,100.956 27.138,101.275 26.5,100
  region: 89.416,101.785 89.899,103.476 89.386,103.273 89.69,104.336 89.917,104.336 89.519,104.735 89.12,104.336 89.303,104.336 88.801,102.742 89.439,103.061 88.801,101.785
  lines w0.254: 359.8,50.85 359.8,73.625
  lines w0.486: 86,105.25 89.262,99.76 92.479,105.25 ; 86.09,105.25 92.569,105.25 ; 23.699,103.465 30.177,103.465 26.961,97.975 23.699,103.465
  text "OPTIONAL CAN TERM" at 128.8,101.45 h0.8
  text "-" at 328.15,43.95 h0.8 r90
  text "0" at 45.8,37.9 h0.8 r90
  text "1" at 48.35,37.75 h0.8 r90
  text "0" at 50.45,35.725 h0.8 r90
  text "3.3" at 57.325,33.425 h0.8
  text "DIO" at 59.875,33.375 h0.8
  text "CLK" at 59.95,33.35 h0.8
  text "0" at 61.7,33.325 h0.8
  text "1" at 50.425,30.6 h0.8 r90
Drill Drawing:
  circle w0.254: c9.853,160.477 r0.847
  circle w0.254: c9.853,156.667 r0.508
  circle w0.254: c9.853,156.667 r0.847
  lines w0.254: 9.006,152.857 9.853,152.01 10.699,152.857 9.853,153.703 9.006,152.857 ; 9.006,163.44 9.853,163.863 10.699,163.44 10.276,164.287 10.699,165.133 9.853,164.71 9.006,165.133 9.429,164.287 9.006,163.44 ; 9.006,167.25 10.699,167.25 10.699,168.943 9.006,168.943 9.006,167.25 ; 9.006,171.06 9.853,171.483 10.699,171.06 10.276,171.907 10.699,172.753 9.853,172.33 9.006,172.753 9.429,171.907 9.006,171.06 ; 9.006,174.87 10.699,174.87 10.699,176.563 9.006,176.563 9.006,174.87 ; 9.006,179.103 9.429,179.103 9.853,178.68 10.276,179.103 10.699,179.103 10.276,179.527 10.699,179.95 10.276,179.95 9.853,180.373 9.429,179.95 9.006,179.95 9.429,179.527 9.006,179.103 ; 9.006,182.913 9.429,182.913 9.429,182.49 10.276,182.49 10.276,182.913 10.699,182.913 10.699,183.76 10.276,183.76 10.276,184.183 9.429,184.183 9.429,183.76 9.006,183.76 9.006,182.913 ; 9.006,187.993 10.699,187.993 9.853,186.3 9.006,187.993 ; 9.006,190.11 9.006,190.533 9.429,190.957 9.006,191.38 9.006,191.803 9.429,191.803 9.853,191.38 10.276,191.803 10.699,191.803 10.699,191.38 10.276,190.957 10.699,190.533 10.699,190.11 10.276,190.11 9.853,190.533 9.429,190.11 9.006,190.11 ; 9.006,195.613 10.699,195.613 9.853,193.92 9.006,195.613 ; 9.006,198.153 9.429,198.153 9.853,197.73 10.276,198.153 10.699,198.153 10.276,198.577 10.699,199 10.276,199 9.853,199.423 9.429,199 9.006,199 9.429,198.577 9.006,198.153 ; 9.345,167.589 10.361,167.589 10.361,168.605 9.345,168.605 9.345,167.589 ; 9.345,171.399 9.853,171.653 10.361,171.399 10.107,171.907 10.361,172.415 9.853,172.161 9.345,172.415 9.599,171.907 9.345,171.399 ; 9.345,195.275 10.361,195.275 9.853,194.259 9.345,195.275 ; 9.345,198.323 9.599,198.323 9.853,198.069 10.107,198.323 10.361,198.323 10.107,198.577 10.361,198.831 10.107,198.831 9.853,199.085 9.599,198.831 9.345,198.831 9.599,198.577 9.345,198.323
  lines w0.381: 7.487,150.867 343.486,150.867 ; 7.487,200.397 343.486,200.397 ; 21.479,147.057 21.479,204.207 ; 36.715,147.057 36.715,204.207 ; 65.917,147.057 65.917,204.207 ; 78.766,147.057 78.766,204.207 ; 97.405,147.057 97.405,204.207 ; 127.622,147.057 127.622,204.207 ; 142.604,147.057 142.604,204.207 ; 161.547,147.057 161.547,204.207 ; 190.749,147.057 190.749,204.207 ; 212.434,147.057 212.434,204.207 ; 246.308,147.057 246.308,204.207 ; 280.182,147.057 280.182,204.207 ; 307.86,147.057 307.86,204.207 ; 7.487,147.057 343.486,147.057 343.486,204.207 7.487,204.207 7.487,147.057
  text "Symbol" at 9.773,201.54 h1.83
  text "Count" at 22.622,201.54 h1.83
  text "Hole Size" at 37.858,201.54 h1.83
  text "Plated" at 67.06,201.54 h1.83
  text "Hole Type" at 79.909,201.54 h1.83
  text "Drill Layer Pair" at 98.548,201.54 h1.83
  text "Via/Pad" at 128.765,201.54 h1.83
  text "Pad Shape" at 143.747,201.54 h1.83
  text "Template" at 162.69,201.54 h1.83
  text "Description" at 191.892,201.54 h1.83
  text "Hole Tolerance (+)" at 213.577,201.54 h1.83
  text "Hole Tolerance (-)" at 247.451,201.54 h1.83
  text "Hole Length" at 281.325,201.54 h1.83
  text "Routed Path Length" at 309.003,201.54 h1.83
  text "2" at 22.622,197.73 h1.52
  text "23.62mil (0.600mm)" at 37.858,197.73 h1.52
  text "PTH" at 67.06,197.73 h1.52
  text "Slot" at 79.909,197.73 h1.52
  text "SIGNAL1 - GND3" at 98.548,197.73 h1.52
  text "Pad" at 128.765,197.73 h1.52
  text "Rounded" at 143.747,197.73 h1.52
  text "r170_90h60_140r100" at 162.69,197.73 h1.52
  text "55.12mil (1.400mm)" at 281.325,197.73 h1.52
  text "31.50mil (0.800mm)" at 309.003,197.73 h1.52
  text "2" at 22.622,193.92 h1.52
  text "23.62mil (0.600mm)" at 37.858,193.92 h1.52
  text "PTH" at 67.06,193.92 h1.52
  text "Slot" at 79.909,193.92 h1.52
  text "SIGNAL1 - GND3" at 98.548,193.92 h1.52
  text "Pad" at 128.765,193.92 h1.52
  text "Rounded" at 143.747,193.92 h1.52
  text "r240_90h60_210r100" at 162.69,193.92 h1.52
  text "82.68mil (2.100mm)" at 281.325,193.92 h1.52
  text "59.06mil (1.500mm)" at 309.003,193.92 h1.52
  text "4" at 22.622,190.11 h1.52
  text "57.09mil (1.450mm)" at 37.858,190.11 h1.52
  text "PTH" at 67.06,190.11 h1.52
  text "Round" at 79.909,190.11 h1.52
  text "SIGNAL1 - GND3" at 98.548,190.11 h1.52
  text "Pad" at 128.765,190.11 h1.52
  text "Rounded" at 143.747,190.11 h1.52
  text "c350h145" at 162.69,190.11 h1.52
  text "-" at 281.325,190.11 h1.52
  text "-" at 309.003,190.11 h1.52
  text "7" at 22.622,186.3 h1.52
  text "39.37mil (1.000mm)" at 37.858,186.3 h1.52
  text "PTH" at 67.06,186.3 h1.52
  text "Round" at 79.909,186.3 h1.52
  text "SIGNAL1 - GND3" at 98.548,186.3 h1.52
  text "Pad" at 128.765,186.3 h1.52
  text "(Mixed)" at 143.747,186.3 h1.52
  text "(Mixed)" at 162.69,186.3 h1.52
  text "-" at 281.325,186.3 h1.52
  text "-" at 309.003,186.3 h1.52
  text "8" at 22.622,182.49 h1.52
  text "70.87mil (1.800mm)" at 37.858,182.49 h1.52
  text "PTH" at 67.06,182.49 h1.52
  text "Round" at 79.909,182.49 h1.52
  text "SIGNAL1 - GND3" at 98.548,182.49 h1.52
  text "Pad" at 128.765,182.49 h1.52
  text "Rounded" at 143.747,182.49 h1.52
  text "c300h180" at 162.69,182.49 h1.52
  text "-" at 281.325,182.49 h1.52
  text "-" at 309.003,182.49 h1.52
  text "8" at 22.622,178.68 h1.52
  text "120.08mil (3.050mm)" at 37.858,178.68 h1.52
  text "PTH" at 67.06,178.68 h1.52
  text "Round" at 79.909,178.68 h1.52
  text "SIGNAL1 - GND3" at 98.548,178.68 h1.52
  text "Pad" at 128.765,178.68 h1.52
  text "Rounded" at 143.747,178.68 h1.52
  text "c152h305" at 162.69,178.68 h1.52
  text "-" at 281.325,178.68 h1.52
  text "-" at 309.003,178.68 h1.52
  text "9" at 22.622,174.87 h1.52
  text "25.20mil (0.640mm)" at 37.858,174.87 h1.52
  text "PTH" at 67.06,174.87 h1.52
  text "Round" at 79.909,174.87 h1.52
  text "SIGNAL1 - GND3" at 98.548,174.87 h1.52
  text "Pad" at 128.765,174.87 h1.52
  text "Rounded" at 143.747,174.87 h1.52
  text "c203h64" at 162.69,174.87 h1.52
  text "-" at 281.325,174.87 h1.52
  text "-" at 309.003,174.87 h1.52
  text "10" at 22.622,171.06 h1.52
  text "165.35mil (4.200mm)" at 37.858,171.06 h1.52
  text "NPTH" at 67.06,171.06 h1.52
  text "Round" at 79.909,171.06 h1.52
  text "SIGNAL1 - GND3" at 98.548,171.06 h1.52
  text "Pad" at 128.765,171.06 h1.52
  text "Rounded" at 143.747,171.06 h1.52
  text "c0hn420" at 162.69,171.06 h1.52
  text "-" at 281.325,171.06 h1.52
  text "-" at 309.003,171.06 h1.52
  text "16" at 22.622,167.25 h1.52
  text "15.75mil (0.400mm)" at 37.858,167.25 h1.52
  text "PTH" at 67.06,167.25 h1.52
  text "Round" at 79.909,167.25 h1.52
  text "SIGNAL1 - GND3" at 98.548,167.25 h1.52
  text "Pad" at 128.765,167.25 h1.52
  text "Rounded" at 143.747,167.25 h1.52
  text "c65h40" at 162.69,167.25 h1.52
  text "-" at 281.325,167.25 h1.52
  text "-" at 309.003,167.25 h1.52
  text "26" at 22.622,163.44 h1.52
  text "72.84mil (1.850mm)" at 37.858,163.44 h1.52
  text "PTH" at 67.06,163.44 h1.52
  text "Round" at 79.909,163.44 h1.52
  text "SIGNAL1 - GND3" at 98.548,163.44 h1.52
  text "Pad" at 128.765,163.44 h1.52
  text "Rounded" at 143.747,163.44 h1.52
  text "c300h185" at 162.69,163.44 h1.52
  text "-" at 281.325,163.44 h1.52
  text "-" at 309.003,163.44 h1.52
  text "60" at 22.622,159.63 h1.52
  text "35.43mil (0.900mm)" at 37.858,159.63 h1.52
  text "PTH" at 67.06,159.63 h1.52
  text "Round" at 79.909,159.63 h1.52
  text "SIGNAL1 - GND3" at 98.548,159.63 h1.52
  text "Pad" at 128.765,159.63 h1.52
  text "(Mixed)" at 143.747,159.63 h1.52
  text "(Mixed)" at 162.69,159.63 h1.52
  text "-" at 281.325,159.63 h1.52
  text "-" at 309.003,159.63 h1.52
  text "75" at 22.622,155.82 h1.52
  text "13.00mil (0.330mm)" at 37.858,155.82 h1.52
  text "PTH" at 67.06,155.82 h1.52
  text "Round" at 79.909,155.82 h1.52
  text "SIGNAL1 - GND3" at 98.548,155.82 h1.52
  text "Via" at 128.765,155.82 h1.52
  text "Rounded" at 143.747,155.82 h1.52
  text "v66h33" at 162.69,155.82 h1.52
  text "-" at 281.325,155.82 h1.52
  text "-" at 309.003,155.82 h1.52
  text "500" at 22.622,152.01 h1.52
  text "12.99mil (0.330mm)" at 37.858,152.01 h1.52
  text "PTH" at 67.06,152.01 h1.52
  text "Round" at 79.909,152.01 h1.52
  text "SIGNAL1 - GND3" at 98.548,152.01 h1.52
  text "Via" at 128.765,152.01 h1.52
  text "Rounded" at 143.747,152.01 h1.52
  text "v66h33(1)" at 162.69,152.01 h1.52
  text "-" at 281.325,152.01 h1.52
  text "-" at 309.003,152.01 h1.52
  text "727 Total" at 22.622,148.2 h1.52
  text "Slot definitions :" at 9.773,144.518 h1.52
  text "Routed Path Length" at 36.003,144.518 h1.52
  text "= Calculated from tool start centre position to tool end centre position." at 64.011,144.518 h1.52
  text "Hole Length" at 36.003,141.978 h1.52
  text "= Routed Path Length + Tool Size = Slot length as defined in the PCB layout" at 53.601,141.978 h1.52
  text "FABRICATION NOTES" at 169.359,132.472 h3
  text "1. QUANTITY: 5" at 169.359,127.376 h3
  text "2. SIZE:" at 169.359,122.279 h3
  text "3. LAYERS: 4" at 169.359,117.183 h3
  text "4. SIGNAL LAYERS: 1,4" at 169.359,113.086 h3
  text "a) WEIGHT: 2oz" at 174.359,106.99 h3
  text "5. PLANES: 2" at 169.359,101.894 h3
  text "a) WEIGHT: 2oz" at 174.359,96.797 h3
  text "6. SOLDER MASKS: Red" at 169.359,91.701 h3
  text "7. SILKSCREEN: White" at 169.359,86.604 h3
  text "8. SURFACE FINISH: HASL (With Lead)" at 169.359,81.508 h3
  text "9 FINISHED COPPER: 2oz Cu" at 169.359,76.412 h3
  text "10. TOTAL THICKNESS: 1.6mm" at 169.359,71.315 h3

## Dimensions
22.5,90 to 22.5,90 on Top Overlay
22.5,128.25 to 22.5,9.25 on Drill Drawing
17.5,123.25 to 157.5,120.75 on Drill Drawing

## Text inside footprints (layer, text, board x,y; h text height)
U12: Bottom Overlay "HV-" at 40,92.5 h2.5; Bottom Overlay "HV+" at 52.5,92.5 h2.5